# KiCad board Inverter_KiCAD.kicad_pcb (continued)
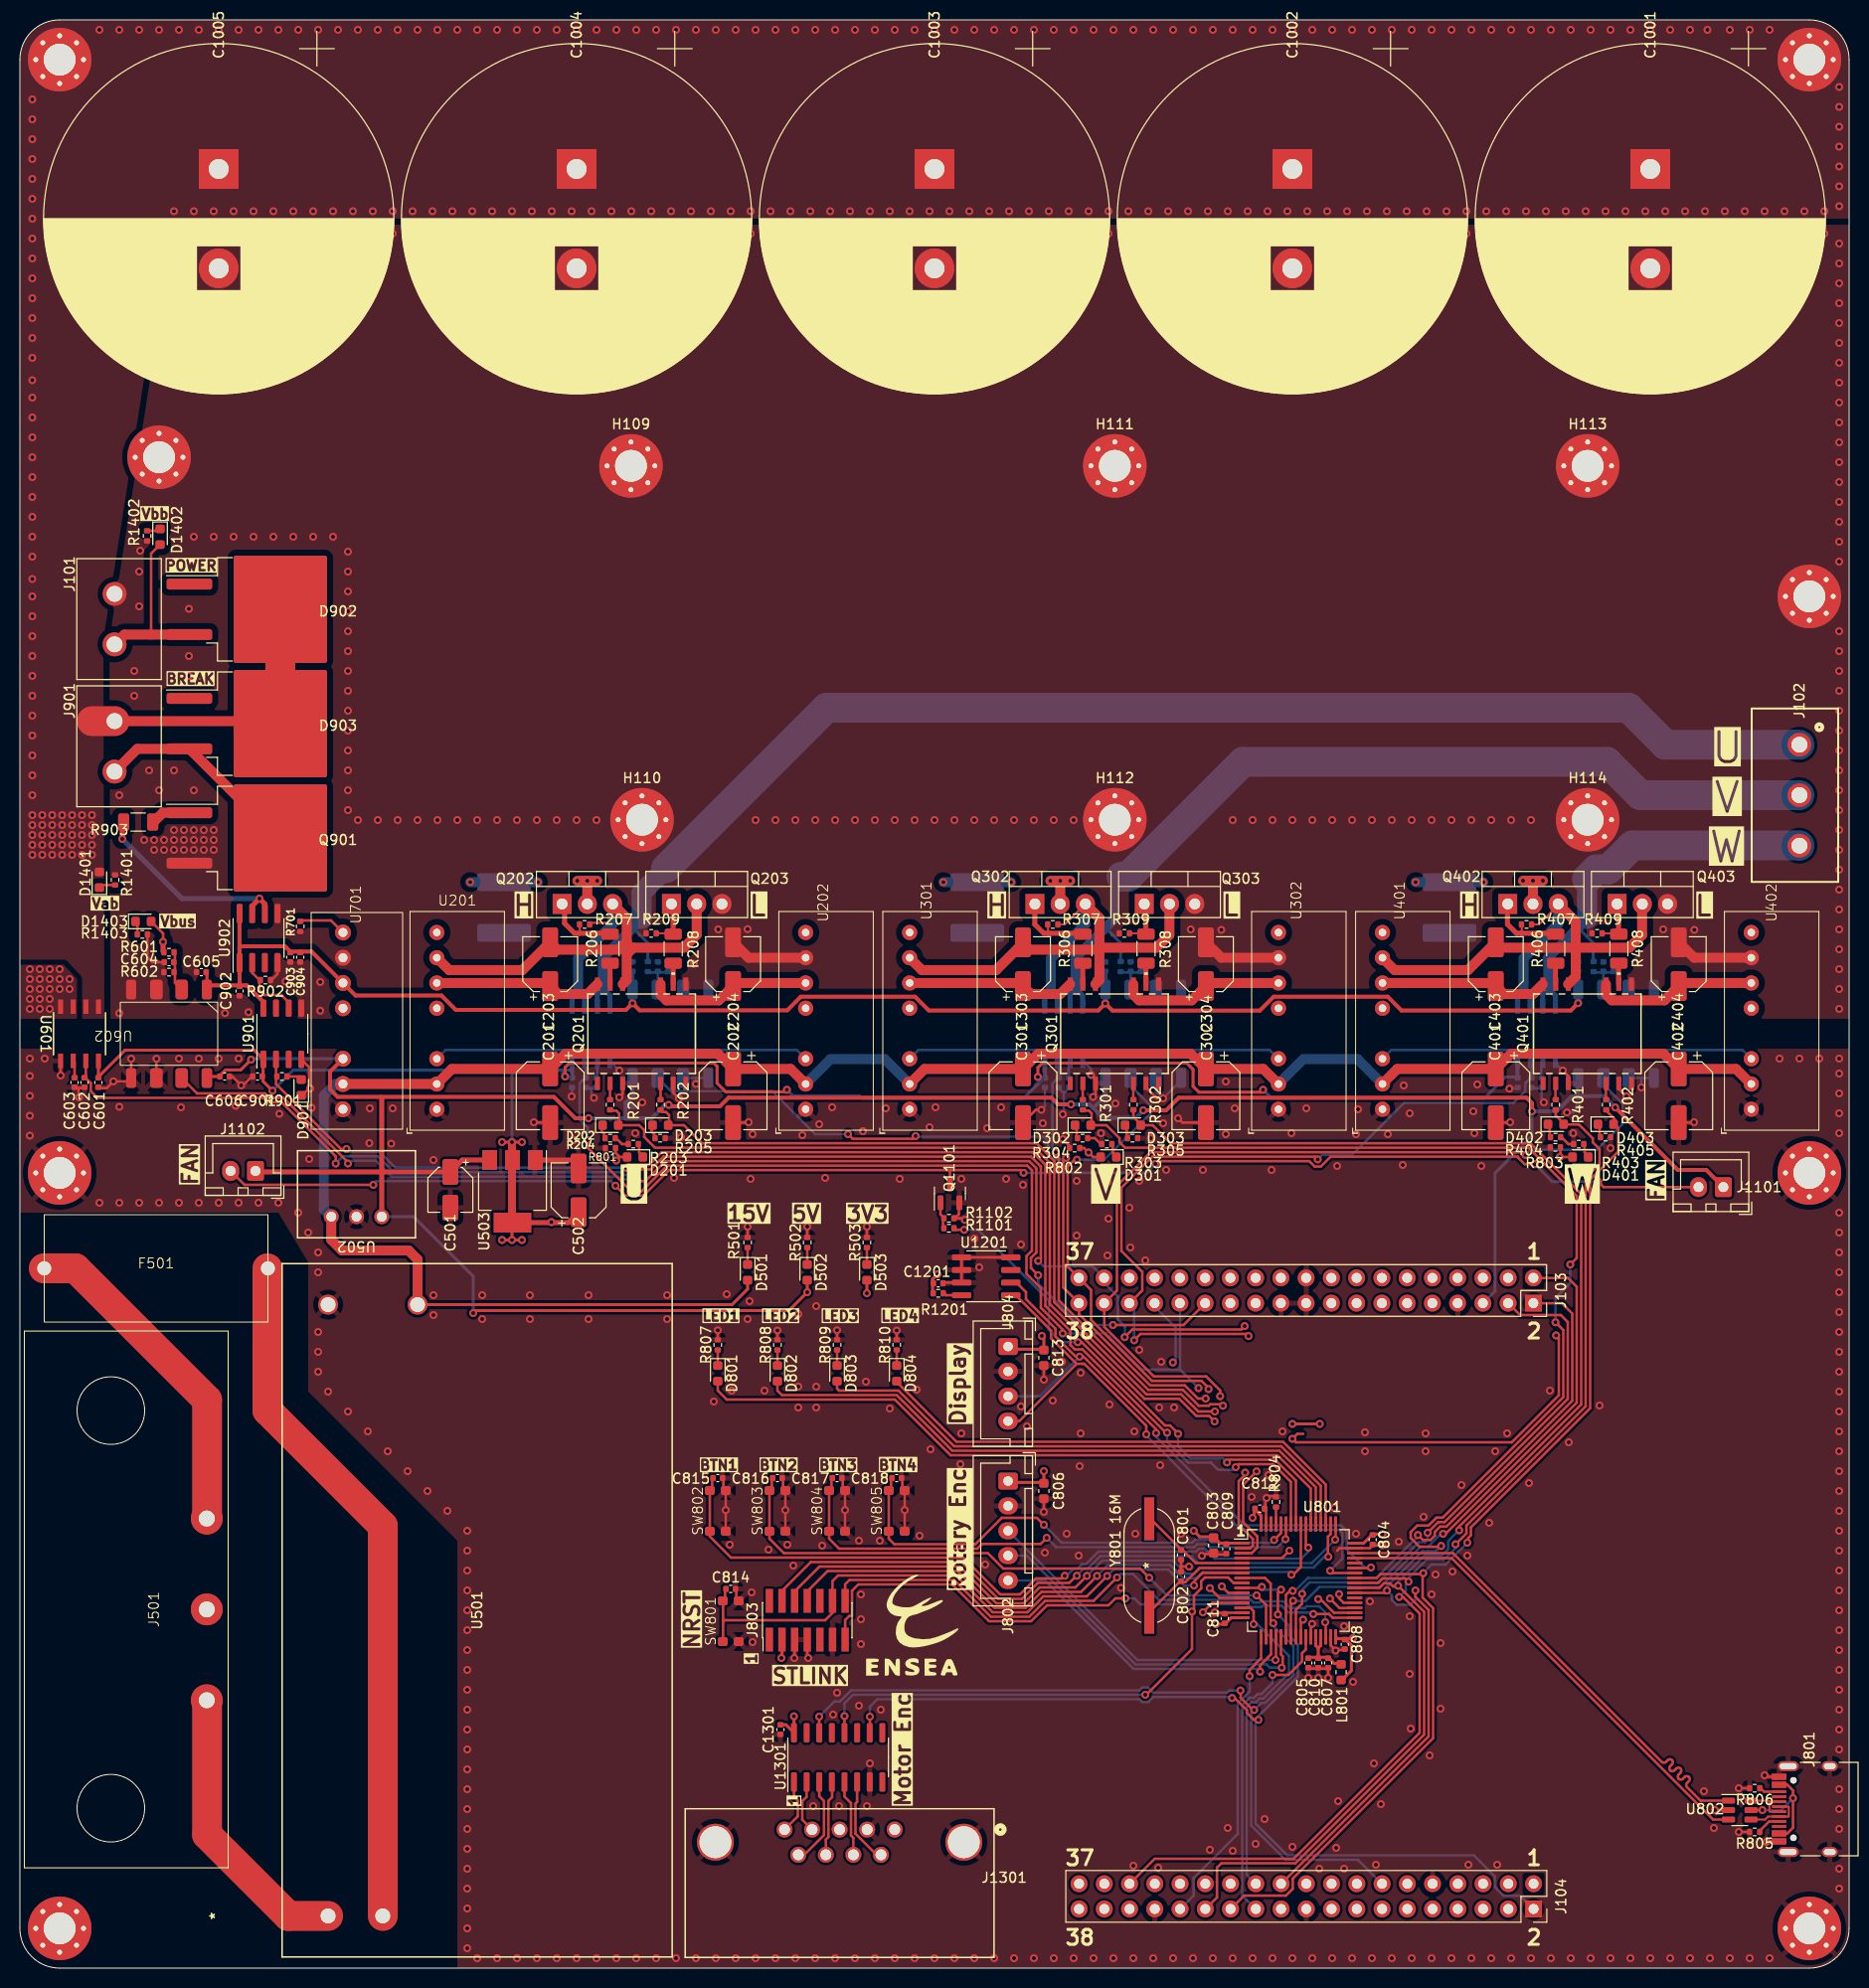
[diagram p0: board, top side]
## Routing (per net, layer and track width the routed paths; a pad name or vN(x,y) marks a point on that pad's centre or on a via; arc(x,y) is an arc through that point) (continued)
/ISO_15V: length 219.3
  Top w0.3: 40.01,66.75 71.64,66.75 73.2,68.31 73.2,69.12
  Top w1: 148.44,90.46 138.55,90.46 137.03,88.95 ; C301.1 102.44,92 117.76,92 C302.1 ; 126.59,88.95 125.07,90.46 119.29,90.46 ; 166.84,90.46 172.62,90.46 174.13,88.95 ; U202.2 77.53,90.46 C202.1 70.2,92 54.88,92 C201.1 43.45,90.46 U201.2 U701.2 ; 40.01,66.75 40.01,71.29 39.1,72.2 32.4,72.2 31.32,73.28 U502.1 ; 100.89,90.46 91,90.46 89.49,88.95 ; C402.1 165.32,92 150,92 C401.1
  Bottom w1: U301.2 87,91.45 81.54,91.45 U202.2 ; U701.2 31.72,88.95 30.57,87.79 30.57,76.35 U502.1 ; U401.2 134.56,91.45 129.1,91.45 U302.2
/ISO_GND: length 161.7
  Top w0.25: 71,44 v1(71,46.07) 71,48.1 70.77,48.33 70.77,49.35 ; v1(79.3,31.2) 79.2,31.3 J803.7 ; v1(107.96,87.64) 108.19,87.88 Q301.3 108.19,89.42 v1(107.75,89.87) ; 79.2,73.6 v1(79.2,74.6) ; 7.9,88.53 8.73,88.53 v1(9.41,89.21) 10.85,89.21 U602.5 v1(11.19,91.49) ; 82.2,63.28 v1(82.2,64.18) ; U602.6 13.73,91.48 v1(13.74,91.49) ; 103,47.14 103,47.14 ; 103,47.14 v1(103,45.9) ; 103,47.14 103.04,47.1 ; 126.35,47.5 125.59,47.5 v1(125.4,47.3) 125.28,47.19 125.28,46.22 125.35,46.16 U801.63 ; C402.2 168.36,85.06 v1(168.4,85.1) ; 88.2,63.3 v1(88.2,64.15) ; 103,60.54 v1(103,59.2) ; 21.17,89.7 21.37,89.7 v1(22.26,88.81) 22.44,88.81 23.33,89.7 ; Q301.7 113.28,88.59 114.36,87.5 v1(115,87.5) ; 133.28,32.01 132.5,32.01 ; 132.5,32.01 132.4,32.01 v1(132.34,31.95) ; 132.5,32.01 132.33,32.01 131.85,32.48 U801.31 ; C401.2 149.86,85.06 v1(149.9,85.1) ; 116.8,40.4 116.8,39.97 ; 116.8,40.4 116.8,41 ; 116.8,40.4 v1(117.6,40.4) ; 73.2,73.6 v1(73.2,74.6) ; 129.6,30.13 131.6,30.13 v1(131.6,29.2) ; 72.07,38.15 72.07,37.18 SW801.2 ; 89,44 v1(89,46.07) 89,48.1 ; 77,44 v1(77,46.07) 77,48.1 ; 173.9,13.7 v1(172.9,13.7) ; Q201.7 65.72,88.08 v1(66.3,87.5) ; v1(116.5,85.5) 116.94,85.06 C302.2 ; U601.5 4.09,89.81 v1(4.1,89.8) ; R802.2 105.59,82.71 v1(104.9,83.4) ; 121.35,41.61 120.13,41.61 120.07,41.66 119.09,41.66 v1(118.9,41.47) ; J801.A12 175.65,19.25 v1(175.5,19.4) ; 132.5,42 132.75,42.25 U801.47 135.79,42.25 136.07,42.53 137.03,42.53 v1(137.05,42.55) ; 61.1,82.9 60.57,82.9 59.97,83.5 ; v1(102.75,86.35) 102.19,86.35 C301.2 ; v1(5.95,87.6) 5.9,87.65 5.9,88.53 ; 28.3,87.72 29.1,88.53 29.1,90.63 U901.4 ; v1(129.98,34.63) 129.85,34.5 U801.27 ; 5.9,88.53 5.5,88.53 ; 5.9,88.53 6.5,88.53 ; v1(155.2,90.3) 155.75,89.75 Q401.3 ; Q1101.2 94.45,76.95 94.45,75.84 94.05,75.44 94.89,75.44 v1(95.05,75.28) ; v1(51.7,85.1) 51.74,85.06 C201.2 ; Q201.3 60.64,87.94 v1(60.3,87.6) ; SW805.2 88.77,48.28 88.77,49.3 ; 76.77,49.3 76.77,48.28 SW803.2 ; U802.2 v1(170.5,15.9) ; v1(175.7,12.7) 175.75,12.75 J801.A1 ; 107.5,83.5 108.13,83.5 108.73,82.9 ; v1(73.3,85.1) 73.26,85.06 C202.2 ; 83,44 v1(83,46.07) 83,48.1 82.77,48.33 82.77,49.35 ; v1(161.6,87.7) 160.84,88.47 Q401.7 ; 70.2,63.27 v1(70.2,64.18) ; J803.5 77.93,31.23 v1(77.9,31.2) ; 85.2,73.6 v1(85.2,74.6) ; 156.2,82.9 155.77,82.9 155.07,83.6 ; 97.2,71.5 99.68,71.5 U1201.5 U1201.7 93.01,68.97 92.94,68.9 ; v1(120.2,35.78) 120.23,35.74 121.2,35.74 121.21,35.75 U801.15 ; 76.2,63.35 76.2,64.05 ; 173.91,18.1 v1(172.9,18.1)
  Top w0.5: 55.35,81.3 51.8,81.3
  Bottom w0.25: U303.5 116.81,89.31 v1(115,87.5) 114.27,88.23 U303.6 ; v1(155.2,90.3) 154.47,91.03 U404.5 ; v1(153.3,87.1) 153.06,87.34 153.06,88.51 152.06,88.51 ; v1(102.75,86.35) 103.1,86.7 103.1,88.51 ; 57.5,88.51 57.5,87.8 v1(57.75,87.55) ; 57.5,88.51 57.94,88.51 ; 57.5,88.51 56.94,88.51 ; 68,89.55 U203.5 ; 68,89.55 U203.6 ; 68,89.55 v1(68,88.95) ; 105,88.01 105.5,88.51 ; 105,88.01 104.5,88.51 ; 105,88.01 105,86 v1(104.9,85.9) ; 156.75,86.59 156.24,86.09 v1(155.61,86.09) ; v1(55.5,87.7) 55.55,87.75 55.55,88.51 ; U204.5 59.35,91.25 v1(60.3,90.3) ; v1(149.83,88.48) 149.86,88.51 150.66,88.51 ; 61.63,86.59 62.09,86.59 v1(62.6,87.1) ; U403.6 163.1,89.55 ; 163.1,89.55 v1(163.1,88.6) ; 163.1,89.55 U403.5 ; v1(110.2,86.99) 109.81,86.59 109.19,86.59 ; v1(107.75,89.87) 107.75,90.44 U304.5
  vias: v1(1,91.5) v1(1,89.75) v1(1,87.75) v1(1,85.75) v1(1,83.75) v1(2.5,91.5) v1(8,77) v1(10,86.65) v1(10,77) v1(12,77) v1(14,77) v1(16,91.5) v1(16,77) v1(16.2,86.6) v1(18,91.5) v1(18,77) v1(20,91.5) v1(20,77) v1(21.7,86.75) v1(22,91.5) v1(22,77) v1(24,77) v1(26,77) v1(26.1,85.95) v1(28,76) v1(29,74) v1(29.1,81.4) v1(29.2,88.5) v1(29.35,86.55) v1(30,72) v1(30,70) v1(30,64) v1(30,62) v1(30,60) v1(31,58) v1(33,56) v1(35,54) v1(35.2,86.5) v1(35.15,83) v1(37,52) v1(37.35,82.95) v1(37.5,86.5) v1(39,50) v1(41,48) v1(41.6,81.3) v1(41.6,67.7) v1(41.6,65.7) v1(43,46) v1(45,44) v1(45,42) v1(45,40) v1(45,38) v1(45,36) v1(45,34) v1(45,32) v1(45,30) v1(45,28) v1(45,26) v1(45,24) v1(45,22) v1(45,20) v1(45,18) v1(45,16) v1(45,14) v1(45,12) v1(45,10) v1(45,8) v1(45,6) v1(45,4) v1(45,2) v1(46,1) v1(46.5,67.7) v1(46.5,65.3) v1(48,1) v1(50,1) v1(51.3,67.7) v1(51.3,65.3) v1(52,1) v1(54,1) v1(55.7,83.3) v1(56,1) v1(57.2,67.7) v1(57.2,65.3) v1(58,1) v1(60,1) v1(61.9,84) v1(62,1) v1(64,1) v1(65.1,67.7) v1(65.1,65.3) v1(65.8,79.5) v1(66,1) v1(66.5,83.6) v1(68,1) v1(69.8,57) v1(70,1) v1(71.1,67.8) v1(71.4,42.6) v1(71.6,58.1) v1(72,1) v1(73.2,65.3) v1(73.4,67.1) v1(73.5,79.4) v1(73.6,37.8) v1(73.7,83.9) v1(73.7,32.8) v1(74,1) v1(74.9,58.1) v1(75.3,42.1) v1(76,1) v1(76.2,64.15) v1(77.2,42.6) v1(77.8,40.5) v1(78,1) v1(78.3,65.8) v1(78.3,58.5) v1(78.3,56.4) v1(78.7,83.8) v1(79.8,16.3) v1(80,1) v1(80.1,66.6) v1(80.1,58.5) v1(80.1,56.4) v1(80.4,84.9) v1(80.7,42.5) v1(81,79.5) v1(81.7,86.6) v1(81.8,25.51) v1(82,1) v1(82.2,27.7) v1(82.4,16.3) v1(84,1) v1(84.4,43) v1(84.4,26.4) v1(84.6,37.6) v1(84.6,35.1) v1(84.6,32.6) v1(84.8,84.2) v1(85.1,59) v1(85.2,16.3) v1(85.5,20.6) v1(86,1) v1(86.5,43) v1(86.6,26) v1(87.1,86.5) v1(87.5,56.3) v1(88,1) v1(88.5,79.4) v1(90,1) v1(90.2,58.2) v1(90.5,43.5) v1(91.5,84.6) v1(91.6,52.2) v1(92,1) v1(92.1,86.6) v1(94,1) v1(94.6,50.7) v1(94.7,79.4) v1(94.7,53.8) v1(96,73.4) v1(96,1) v1(96.5,70.5) v1(97.1,40.6) v1(97.3,84.5) v1(98,1) v1(98.7,86.6) v1(99.2,79.4) v1(100,1) v1(100.7,72.8) v1(100.7,56.5) v1(100.9,78.8) v1(101.3,54.5) v1(102,1) v1(102.9,85) v1(103.1,41.8) v1(103.9,57.1) v1(104,1) v1(104.8,61) v1(105.3,43.7) v1(106,1) v1(106.3,79.2) v1(106.3,73.7) v1(106.5,41.5) v1(106.6,50.5) v1(106.7,59.9) v1(106.7,53.8) v1(108,1) v1(108.75,84) v1(109.4,79.1) v1(109.4,71.7) v1(109.5,75.4) v1(109.6,56.7) v1(110,1) v1(110.75,38.25) v1(111.6,76.5) v1(111.7,72.5) v1(112,10.3) v1(112,1) v1(112.1,54) v1(112.2,43.7) v1(112.6,79.2) v1(112.6,62.2) v1(113.2,71.2) v1(113.75,83.5) v1(114,1) v1(114.5,10.1) v1(114.6,56.4) v1(114.7,50.6) v1(114.8,61) v1(115,85) v1(115.3,80.3) v1(116,1) v1(116.1,56.4) v1(116.8,43.7) v1(118,1) v1(119,80.3) v1(119.7,11.9) v1(120,1) v1(121.3,89.2) v1(121.3,83.9) v1(121.5,14.1) v1(122,11.8) v1(122,1) v1(122.2,86.5) v1(123.9,47.4) v1(124,1) v1(124.3,12.5) v1(125.2,15) v1(125.6,49.6) v1(125.9,80.3) v1(126,1) v1(127,54) v1(127.9,84) v1(128,12.2) v1(128,1) v1(129.4,86.5) v1(129.6,29.2) v1(130,1) v1(130.6,29.2) v1(130.7,10) v1(132,1) v1(132.2,46.3) v1(132.4,12.1) v1(132.5,80.7) v1(132.6,16.8) v1(133.2,34.4) v1(133.2,10) v1(134,1) v1(134.1,28.8) v1(134.4,83.9) v1(134.4,43.7) v1(134.6,86.4) v1(135.3,53.9) v1(135.3,52) v1(135.8,36.9) v1(136,1) v1(136.2,20.6) v1(136.4,10.4) v1(136.9,16.5) v1(137.6,83.9) v1(138,1) v1(138.7,42.9) v1(139.1,80.8) v1(139.2,88.8) v1(139.8,86) v1(139.8,35.4) v1(139.8,29.6) v1(139.9,24.1) v1(140,1) v1(141.2,45.4) v1(141.4,53.8) v1(141.4,52) v1(141.8,21.4) v1(142,37.6) v1(142,1) v1(142.4,39.6) v1(142.9,32.7) v1(142.9,26.1) v1(144,1) v1(144.1,39.9) v1(145,48.6) v1(145.6,41.5) v1(145.7,10.4) v1(146,1) v1(146.2,86.2) v1(146.3,84) v1(146.6,88.9) v1(147,80.7) v1(147.8,44.8) v1(148,1) v1(148.4,52) v1(148.6,10.4) v1(149.6,53.8) v1(150,1) v1(151.8,48.8) v1(152,1) v1(153.9,58.1) v1(154,1) v1(155.8,52.9) v1(156,1) v1(156.25,84) v1(158,1) v1(158.9,56.6) v1(160,82.5) v1(160,1) v1(162,1) v1(164,1) v1(166,1) v1(168,1) v1(169.4,17.8) v1(170,1) v1(170.4,14.1) v1(172,1) v1(174,1) v1(176,1) v1(177,91.5) v1(179,91.5) v1(181,91.5) v1(183,91.5) v1(183,90) v1(183,88) v1(183,86) v1(183,84) v1(183,76) v1(183,74) v1(183,72) v1(183,70) v1(183,68) v1(183,66) v1(183,64) v1(183,62) v1(183,60) v1(183,58) v1(183,56) v1(183,54) v1(183,52) v1(183,50) v1(183,48) v1(183,46) v1(183,44) v1(183,42) v1(183,40) v1(183,38) v1(183,36) v1(183,34) v1(183,32) v1(183,30) v1(183,28) v1(183,26) v1(183,24) v1(183,22) v1(183,18) v1(183,16) v1(183,14) v1(183,10) v1(183,8)
/ISO_PWM_Break: length 136.8
  Top w0.25: v1(32.85,82.4) 32.31,82.4 25.76,88.94 25.76,91.42 U901.2 ; v1(122.3,50.4) 122.6,50.7 126.06,50.7 127.85,48.91 U801.58 ; v1(115.39,53.87) 115.27,53.87 106.89,62.25 106.11,62.25 105.67,62.69 105.67,64.1 103.15,66.62 103.15,80.83 101.89,82.08 64.55,82.08 63.27,80.8 61.25,80.8 v1(60.97,80.53)
  Bottom w0.25: v1(60.97,80.53) 37.77,80.53 36.18,82.12 33.12,82.12 v1(32.85,82.4) ; v1(115.39,53.87) 115.39,52.98 117.53,50.85 119.81,50.85 120.53,50.14 122.04,50.14 v1(122.3,50.4)
/ISO_PWM_FAN: length 52
  Top w0.25: v1(94.99,74.28) 94.21,74.28 94.05,74.44 94.1,74.38 ; v1(116.5,53.75) 116.5,53.79 115.7,54.59 115.18,54.59 106.8,62.97 v1(106.41,62.97) ; U801.57 128.35,49.05 126.25,51.15 121.7,51.15 v1(121.42,50.88)
  Bottom w0.25: v1(116.5,53.75) 116.5,52.51 117.71,51.3 121,51.3 v1(121.42,50.88) ; v1(94.99,74.28) 96.38,74.28 103.5,67.15 103.5,64.22 104.75,62.97 v1(106.41,62.97)
/MCU_STM32G474/D+: length 4.3
  Top w0.2: 174.64,16.85 175.83,16.85 175.98,16.7 ; 175.98,16.7 175.98,15.8 176.03,15.75 J801.A6 ; 175.98,16.7 176.03,16.75 J801.B6
/MCU_STM32G474/D-: length 5.3
  Top w0.2: J801.A7 177.88,16.25 177.93,16.2 177.93,15.3 177.88,15.25 J801.B7 175.85,15.25 175.55,14.95 174.64,14.95
/MCU_STM32G474/ENC_BTN_A: length 34.6
  Top w0.25: U801.20 126.35,31.05 v1(126.3,31)
  Bottom w0.25: v1(126.3,31) 112.4,31 J802.3
/MCU_STM32G474/ENC_BTN_B: length 35.4
  Top w0.25: v1(126.92,30.22) 127.03,30.32 127.03,31.38 126.85,31.55 U801.21
  Bottom w0.25: J802.4 101.26,41.5 112.21,30.55 125.4,30.55 125.73,30.22 v1(126.92,30.22)
/MCU_STM32G474/ENC_BTN_P: length 33.1
  Top w0.25: v1(124.75,29.83) 124.75,30.45 125.57,31.28 125.57,31.3 125.85,31.58 U801.19
  Bottom w0.25: J802.5 103.13,39 112.03,30.1 124.48,30.1 v1(124.75,29.83)
/MCU_STM32G474/ISO_3V3A: length 6.9
  Top w0.3: 130.6,31.27 130.6,32.2 ; 130.6,31.27 131.6,31.27 132.22,30.65 132.9,30.65 ; 130.6,31.27 129.6,31.27 ; 130.6,32.2 130.35,32.45 U801.28 ; 130.6,32.2 130.85,32.45 U801.29
/MCU_STM32G474/NRST: length 66.6
  Top w0.25: SW801.1 70.93,37.18 70.93,38.15 ; v1(109.37,39.45) 109.37,39.45 107.32,37.4 102.95,37.4 101.35,35.8 97.85,35.8 94.15,39.5 82.3,39.5 81.74,38.94 J803.12 81.74,35.74 81,35 70.73,35 70.73,34.8 ; U801.7 118.95,39.75 118.1,38.9 v1(118.1,38.5) ; 70.97,37.13 70.73,36.9 70.73,34.8 ; 70.73,34.8 70.73,32.8
  Bottom w0.25: v1(109.37,39.45) 110.02,40.1 115.51,40.1 117.11,38.5 v1(118.1,38.5)
/MCU_STM32G474/Soft_NRST: length 49.6
  Top w0.25: U801.60 126.85,43.76 v1(126.16,43.07) ; SW805.1 87.63,48.28 87.63,49.3 ; SW805.1 87.4,43.2 87.95,42.65 96.11,42.65 98.76,45.3 102.3,45.3 v1(103,44.6) ; 87.4,44 87.4,48.1
  Bottom w0.25: v1(126.16,43.07) 125.89,42.8 119.87,42.8 119.57,43.1 118.23,43.1 117.93,42.8 104.8,42.8 v1(103,44.6)
/MCU_STM32G474/SWCLK: length 63.7
  Top w0.25: v1(107.33,39.46) 106.17,38.3 102.57,38.3 100.97,36.7 98.23,36.7 94.53,40.4 80.43,40.4 77.93,37.9 J803.6 ; U801.50 131.85,43.68 131.57,43.4 131.57,41.43 v1(131.61,41.39)
  Bottom w0.25: v1(107.33,39.46) 108.87,41 115.97,41 117.3,39.68 118.18,39.68 118.8,40.3 130.14,40.3 131.22,41.39 v1(131.61,41.39)
/MCU_STM32G474/SWDIO: length 64
  Top w0.25: J803.4 76.66,37.96 79.55,40.85 94.71,40.85 98.41,37.15 100.79,37.15 102.39,38.75 105.55,38.75 106.28,39.48 v1(106.32,39.48) ; U801.49 132.35,43.15 v1(132.3,43.1)
  Bottom w0.25: v1(106.32,39.48) 107.03,40.19 107.42,40.19 108.68,41.45 117.9,41.45 118.6,40.75 129.95,40.75 v1(132.3,43.1)
/MCU_STM32G474/SWO: length 60.3
  Top w0.25: v1(127.9,39.57) 128.07,39.57 128.85,40.35 U801.56 ; J803.8 79.2,37.9 81.25,39.95 94.34,39.95 98.04,36.25 101.16,36.25 102.76,37.85 106.74,37.85 v1(108.35,39.46)
  Bottom w0.25: v1(127.9,39.57) 127.63,39.85 118.99,39.85 118.36,39.22 117.03,39.22 115.7,40.55 109.44,40.55 v1(108.35,39.46)
/MCU_STM32G474/USB_DM: length 48.5
  Top w0.25: U802.3 170.31,14.95 144.01,41.25 U801.45
/MCU_STM32G474/USB_DP: length 51.5
  Top w0.25: U802.1 169.05,16.85 167.7,18.2 arc(167.61,18.41) 167.7,18.62 167.89,18.81 arc(167.97,19.02) 167.89,19.23 arc(167.67,19.32) 167.46,19.23 167.28,19.05 arc(167.06,18.96) 166.85,19.05 arc(166.76,19.26) 166.85,19.47 167.04,19.66 arc(167.12,19.87) 167.04,20.08 arc(166.82,20.17) 166.61,20.08 166.43,19.9 arc(166.22,19.81) 166,19.9 arc(165.92,20.11) 166,20.32 166.19,20.51 arc(166.28,20.72) 166.19,20.93 arc(165.98,21.02) 165.76,20.93 165.58,20.75 arc(165.37,20.66) 165.15,20.75 144.15,41.75 U801.46
/MCU_STM32G474/USR_BTN_1: length 74.1
  Top w0.25: U801.55 129.35,42.55 v1(129.6,42.3) ; SW802.1 69.4,43.43 71.53,41.3 94.9,41.3 98.6,37.6 100.6,37.6 102.2,39.2 104.82,39.2 v1(105.1,39.48) ; 69.4,44 69.4,48.1 69.63,48.33 69.63,49.35
  Bottom w0.25: v1(129.6,42.3) 129.6,41.9 128.9,41.2 120.2,41.2 119.2,42.2 118.6,42.2 118.3,41.9 108.49,41.9 107.23,40.64 106.84,40.64 106.4,40.2 106.02,40.2 105.29,39.48 v1(105.1,39.48)
/MCU_STM32G474/USR_BTN_2: length 62.1
  Top w0.25: v1(124.4,37.5) 125.35,36.55 U801.18 ; v1(113.6,39.28) 112.68,40.2 98.91,40.2 97.36,41.75 76.85,41.75 75.4,43.2 SW803.1 ; 75.4,44 75.4,48.1 ; SW803.1 75.63,48.28 75.63,49.3
  Bottom w0.25: v1(113.6,39.28) 115.38,37.5 v1(124.4,37.5)
/MCU_STM32G474/USR_BTN_3: length 55.5
  Top w0.25: U801.59 127.35,43.2 v1(127.3,43.15) ; v1(103.29,43.29) 102.68,42.68 96.77,42.68 96.3,42.2 82.4,42.2 81.4,43.2 SW804.1 ; 81.63,49.35 81.63,48.33 81.4,48.1 81.4,44
  Bottom w0.25: v1(103.29,43.29) 104.23,42.35 118.11,42.35 118.41,42.65 119.39,42.65 119.69,42.35 126.5,42.35 v1(127.3,43.15)
/MCU_STM32G474/USR_LED_1: length 68.2
  Top w0.25: 70.2,58.96 70.2,58.1 71.1,57.2 88.01,57.2 93.61,51.6 126.5,51.6 129.85,48.25 U801.54
/MCU_STM32G474/USR_LED_2: length 62.6
  Top w0.25: 76.2,58.83 76.2,58.1 76.65,57.65 88.19,57.65 93.79,52.05 126.69,52.05 130.35,48.39 U801.53
/MCU_STM32G474/USR_LED_3: length 57.2
  Top w0.25: U801.52 130.85,48.52 126.87,52.5 93.98,52.5 88.38,58.1 82.4,58.1 82.2,58.3 82.2,58.92
/MCU_STM32G474/USR_LED_4: length 51.5
  Top w0.25: U801.51 131.35,48.66 127.06,52.95 94.22,52.95 88.2,58.97 88.15,58.97
/MCU_STM32G474/V_USB: length 11.2
  Top w0.25: J801.A4 177.78,13.55 178.36,14.13 v1(178.36,17.1) 178.36,17.87 177.78,18.45 J801.A9 ; 174.64,15.9 v1(175.28,15.9)
  Bottom w0.25: v1(175.28,15.9) 177.16,15.9 v1(178.36,17.1)
/MCU_STM32G474/VCP_RX: length 59.6
  Top w0.25: J803.13 83.01,35.01 83.42,35.43 83.7,35.43 83.7,37.97 84.34,38.6 93.78,38.6 97.48,34.9 101.72,34.9 103.32,36.5 109.5,36.5 110.2,37.2 v1(111.2,37.2) ; U801.33 132.05,35.25 131.67,35.63 v1(130.1,35.63)
  Bottom w0.25: v1(111.2,37.2) 112.1,37.2 112.7,36.6 123.5,36.6 123.78,36.32 124.89,36.32 125.01,36.45 126.92,36.45 127.59,35.78 129.95,35.78 v1(130.1,35.63)
/MCU_STM32G474/VCP_TX: length 57.8
  Top w0.25: v1(131.3,34.8) 131.35,34.75 U801.30 ; v1(110.36,39.3) 108,36.95 103.13,36.95 101.53,35.35 97.67,35.35 93.97,39.05 83.45,39.05 83.01,38.61 J803.14
  Bottom w0.25: v1(110.36,39.3) 110.7,39.65 111.95,39.65 114.55,37.05 123.82,37.05 124.1,36.78 124.7,36.78 124.83,36.9 127.11,36.9 127.78,36.23 129.27,36.23 129.44,36.4 130.7,36.4 131.3,35.8 v1(131.3,34.8)
/NUCLEO_NRST: length 54.6
  Top w0.25: U801.24 128.35,36.05 128.98,36.68 v1(128.98,37.65) ; v1(141.6,43.8) 142.67,44.87 143.31,44.87 155.7,57.26 155.7,65 155,65.7 150.91,65.7 149.72,66.89
  Bottom w0.25: v1(141.6,43.8) 141.6,43.1 141.35,42.85 140.71,42.85 136.66,38.8 129.74,38.8 128.98,38.04 v1(128.98,37.65)
/NUCLEO_RX: length 54.9
  Top w0.25: U801.22 127.35,37.55 127.76,37.96 v1(128.02,37.96) ; 152.26,66.89 155.11,66.89 156.15,65.85 156.15,57.08 143.49,44.42 142.85,44.42 142.32,43.89 142.32,43.5 141.9,43.07 141.12,43.07 v1(140.63,43.57)
  Bottom w0.25: v1(140.63,43.57) 140.63,43.46 136.41,39.25 129.55,39.25 128.26,37.96 v1(128.02,37.96)
/NUCLEO_TX: length 56.9
  Top w0.25: v1(143.16,43.69) 143.4,43.69 156.6,56.89 156.6,68.55 155.72,69.43 152.26,69.43 ; v1(128.08,36.96) 127.85,36.73 U801.23
  Bottom w0.25: v1(143.16,43.69) 142.94,43.69 141.65,42.4 140.9,42.4 136.85,38.35 130.72,38.35 129.3,36.93 128.11,36.93 v1(128.08,36.96)
/Pwr_En_U: length 138.8
  Top w0.25: 60.34,81.6 59.91,82.03 R801.1 ; 60.34,81.6 61,81.6 ; 60.34,81.6 v1(59.99,81.25) ; v1(123.25,49.85) 123.25,49.65 122.6,49 122.6,44.6 124.03,43.18 124.03,42.51 123.77,42.25 U801.2
  In2.Cu w0.25: v1(123.25,49.85) 123.25,52.64 122.25,53.63 122.25,57.04 120.09,59.2 118.02,59.2 116.81,60.41 116.81,61.6 112.69,65.72 105.4,65.72 101.7,69.41 101.7,69.8 80.01,91.49 U202.3 77.96,91.49 68.09,81.61 60.35,81.61 v1(59.99,81.25)
  Bottom w0.25: U201.3 42.83,92.38 78.15,92.38 U202.3
/Pwr_En_V: length 110.3
  Top w0.25: R802.1 107.05,82.5 v1(107.5,82.05) 107.95,81.6 108.62,81.6 ; U801.3 123.9,41.75 124.47,42.32 124.47,43.43 123.05,44.85 123.05,48.63 v1(124.4,49.98)
  In2.Cu w0.25: v1(107.5,82.05) 116.1,82.05 ; 116.1,82.05 118.06,80.09 118.06,60.13 118.55,59.65 120.28,59.65 122.7,57.23 122.7,53.82 123.7,52.82 123.7,50.68 v1(124.4,49.98) ; 116.1,82.05 116.25,82.05 125.69,91.49 U302.3
  Bottom w0.25: U302.3 125.71,92.38 90.39,92.38 U301.3
/Pwr_En_W: length 134.7
  Top w0.25: 129.09,53.75 128.5,53.75 v1(128,53.25) 128.35,52.9 150.06,52.9 154.8,57.64 154.8,63.38 v1(154.53,63.65) ; 156.09,81.6 v1(154.9,81.6) 154.96,81.66 R803.1 ; v1(127.7,42) 126.95,41.25 U801.4
  In2.Cu w0.25: v1(127.7,42) 128.15,42.45 128.15,53.1 v1(128,53.25) ; U402.3 173.09,91.49 163.2,81.6 v1(154.9,81.6) 155.22,81.28 155.22,64.35 v1(154.53,63.65)
  Bottom w0.25: U401.3 137.95,92.38 173.27,92.38 U402.3
/U_Imes: length 126.6
  Top w0.25: v1(104.9,63.85) 104.9,64.24 102.7,66.44 102.7,68.4 101.25,69.85 101.25,71.64 101.8,72.19 101.8,80.27 101.33,80.74 65.11,80.74 62.55,78.18 61.48,78.18 57.1,82.55 v1(57.1,83.3) ; U801.13 119.95,36.75 v1(119,35.8)
  In2.Cu w0.25: 118.55,58.38 118.55,54.08 117.65,53.17 117.65,48.34 119.25,46.74 119.25,42.87 118.18,41.8 118.18,41.15 118.9,40.42 118.9,35.92 119,35.82
  Bottom w0.25: U204.7 56.94,91.15 56.94,89.65 56.31,89.01 56.31,85.37 57.1,84.58 v1(57.1,83.3) ; v1(118.55,58.35) 116.7,60.21 ; 116.7,60.21 112.89,60.21 109.25,63.85 v1(104.9,63.85) ; 116.7,60.21 116.7,66.89
/U_output: length 145.1
  Bottom w0.3: 63.17,101.36 63.17,103.13 61.74,104.56 61.54,104.56
  Bottom w0.5: U204.3 58.08,98 58.64,98.56 59.35,97.85 U204.4
  Bottom w1: 62.54,105.56 58.64,101.66 58.64,98.56
  Bottom w2: 62.54,105.56 62.54,108.19 65,110.65
  Bottom w3: 65,110.65 81.15,126.8 161.8,126.8 165.52,123.08 J102.1
/U_PWM_H: length 139.5
  Top w0.25: v1(124.1,34.6) 124.1,35.92 123.77,36.25 U801.14 ; 59.36,86.26 60,86.26 60.28,85.98 60.28,84.8 62.3,84.8 62.8,84.3 62.8,83.62 63.88,82.53 102.08,82.53 103.6,81.01 103.6,66.81 113.13,57.28 116.61,57.28 118.34,55.55 119.63,55.55 119.9,55.27 119.9,55.27 v1(120.18,55)
  In2.Cu w0.25: 124.1,34.62 124.1,35.82 121.62,38.3 121.62,38.72 121.2,39.15 120.81,39.15 120.6,39.36 120.6,47.36 119,48.96 119,52.55 119.9,53.46 119.9,54.75 120.18,55.02
  Bottom w0.25: v1(124.1,34.6) 124.48,34.6 127.65,31.43 127.65,29.69 125.09,27.13 124.7,27.13 124.32,26.75 123.89,26.75 123.41,26.26 123.41,9.38 124.32,8.47
/U_PWM_L: length 138.4
  Top w0.25: 64.44,86.26 64.58,86.12 65,86.12 65.3,85.82 65.3,84.8 66.8,84.8 68.61,82.98 102.26,82.98 104.05,81.2 104.05,67 113.32,57.73 116.8,57.73 118.53,56 v1(120.2,56) ; v1(123.7,29.38) 123.7,30 124.3,30.6 124.3,30.64 124.85,31.19 U801.17
  In2.Cu w0.25: 120.2,56.02 120.48,56.02 120.9,55.6 120.9,54.19 120.35,53.64 120.35,53.27 119.45,52.37 119.45,49.15 121.05,47.55 121.05,40.12 122.37,38.81 122.37,38.19 124.82,35.74 124.82,34.22 123.61,33.01 123.61,29.49 123.7,29.4
  Bottom w0.25: v1(123.7,29.38) 123.7,27.83 122.5,26.64 122.5,13.5 118.06,9.06 118.06,7.29 116.7,5.93
/U_VPh: length 102.1
  Top w0.25: U801.12 120.67,37.25 v1(119.7,38.22) ; v1(83.3,83.9) 83.77,83.44 89.83,83.44 v1(90.1,83.71) ; v1(105.22,81.51) 104.95,81.24 104.95,68.48 106.54,66.89 106.54,65.78 113.69,58.63 117.17,58.63 118.5,57.3 v1(119.28,57.3)
  In2.Cu w0.25: 119.7,38.25 119.7,46.92 118.1,48.52 118.1,52.92 119,53.83 119,57.05 119.28,57.32
  Bottom w0.25: v1(90.1,83.71) 90.16,83.65 102.97,83.65 103.41,83.2 103.41,81.83 103.89,81.36 104.24,81.36 104.24,81.36 105.07,81.36 v1(105.22,81.51) ; v1(83.3,83.9) 80,83.9 75.67,88.22 65.5,88.22 U203.7
/V_Imes: length 108.4
  Top w0.25: U801.26 129.35,32.06 128.97,31.68 128.97,30.86 127.6,29.5 v1(126,29.5) ; v1(104.19,82.09) 104.5,81.77 104.5,67.18 113.5,58.18 116.98,58.18 118.59,56.57 119.58,56.57 119.73,56.72 120.87,56.72 v1(121.01,56.58)
  In2.Cu w0.25: 126,29.52 126,30.15 125.28,30.87 125.28,37.27 125.65,37.65 125.65,38.67 121.5,42.83 121.5,47.73 119.9,49.33 119.9,52.18 120.8,53.08 120.8,53.46 121.35,54.01 121.35,56.27 121.01,56.61
  Bottom w0.25: v1(126,29.5) 126,28.68 124.9,27.58 124.51,27.58 124.13,27.2 123.7,27.2 122.96,26.45 122.96,7.29 124.32,5.93 ; v1(104.19,82.09) 103.87,82.41 103.87,89.01 104.5,89.65 ; 104.36,91.28 104.49,91.15 104.49,89.65
/V_output: length 95.7
  Bottom w0.3: 110.72,101.36 110.72,103.13 109.29,104.56 109.09,104.56
  Bottom w0.5: 105.63,96.72 105.63,98 106.19,98.56 106.9,97.85 106.9,96.72
  Bottom w1: 106.19,98.56 106.19,101.66 110.09,105.56 110.09,108.41 110.8,109.12 110.8,109.8
  Bottom w3: J102.2 163,118 159.65,121.35 123.03,121.35 111.48,109.8 110.8,109.8
/V_PWM_H: length 152.6
  Top w0.25: 126.86,8.47 141.7,23.31 141.7,36.04 140.38,37.36 v1(140.38,37.99) ; v1(155.95,70.79) 156.6,71.44 156.6,77.69 151.75,82.53 111.16,82.53 110.61,83.09 110.61,83.49 109.3,84.8 107.8,84.8 107.8,86 107.54,86.26 106.93,86.26 ; v1(154.46,64.98) 155.25,64.19 155.25,57.45 143.12,45.32 142.48,45.32 141.69,44.53 140.56,44.53 139.9,43.87 139.9,43.27 140.78,42.39 142.87,42.39 v1(142.96,42.47) ; U801.38 137.27,37.75 v1(137.51,37.99)
  Bottom w0.25: v1(142.96,42.47) 142.43,41.95 141.09,41.95 137.51,38.38 v1(137.51,37.99) 138.01,37.49 138.01,37.04 138.5,36.55 139.85,36.55 140.38,37.08 v1(140.38,37.99) ; v1(155.95,70.79) 155.95,68.92 154.46,67.43 v1(154.46,64.98)
/V_PWM_L: length 148.8
  Top w0.25: U801.39 136.75,38.25 137.21,38.71 137.81,38.71 138.13,38.4 138.56,38.4 v1(138.63,38.47) 141.25,35.85 141.25,23.5 128.3,10.55 120.85,10.55 120.41,10.12 120.41,7.1 119.24,5.93 ; 112,86.26 112,85.62 112.83,84.8 113.95,84.8 115.76,82.98 151.94,82.98 157.05,77.87 157.05,56.7 144.78,44.43 v1(144.78,44.05)
  Bottom w0.25: v1(138.63,38.47) 138.63,38.86 141.27,41.5 143.01,41.5 143.68,42.17 143.68,42.98 144.75,44.05 v1(144.78,44.05)
/V_VPh: length 70
  Top w0.25: 106.55,69.44 106.54,69.43 ; 106.54,69.43 107.75,68.22 107.75,65.2 113.88,59.08 118.85,59.08 119.57,58.37 v1(119.57,58.26) ; 106.54,69.43 105.4,70.57 105.4,80.65 106.08,81.33 v1(106.33,81.33) ; U801.11 121.55,37.75 v1(120.9,38.4)
  In2.Cu w0.25: 120.9,38.42 120.15,39.17 120.15,47.17 118.55,48.77 118.55,52.74 119.45,53.64 119.45,56.28 120,56.82 120,57 120,57 120,57.85 119.57,58.28
  Bottom w0.25: U303.7 111.73,88.77 113.72,86.78 113.72,85.97 109.08,81.33 v1(106.33,81.33)
/Vbus_Sense/Uref: length 1.7
  Top w0.25: 5.5,89.67 5.5,91.14 U601.6
/VSupply_AB: length 30.6
  Top w1: D903.2 25.95,125.45 J901.2
  Top w3: D902.2 D903.2 ; J901.2 7.24,125.45
  vias: v1(1.25,188) v1(1.25,186) v1(1.25,184) v1(1.25,182) v1(1.25,180) v1(1.25,178) v1(1.25,176) v1(1.25,174) v1(1.25,172) v1(1.25,170) v1(1.25,168) v1(1.25,166) v1(1.25,164) v1(1.25,162) v1(1.25,159.75) v1(1.25,158) v1(1.25,156) v1(1.25,154) v1(1.25,152) v1(1.25,150) v1(1.25,148) v1(1.25,146) v1(1.25,144) v1(1.25,142) v1(1.25,139.75) v1(1.25,138) v1(1.25,136) v1(1.25,134) v1(1.25,132) v1(1.25,130) v1(1.25,128) v1(1.25,126) v1(1.25,124) v1(1.25,122) v1(1.25,120) v1(1.25,118) v1(1.25,116) v1(1.25,115) v1(1.25,114) v1(1.25,113) v1(1.25,112) v1(2.25,116) v1(2.25,115) v1(2.25,114) v1(2.25,113) v1(2.25,112) v1(3.25,116) v1(3.25,115) v1(3.25,114) v1(3.25,113) v1(3.25,112) v1(4.25,116) v1(4.25,115) v1(4.25,114) v1(4.25,113) v1(4.25,112) v1(5.25,116) v1(5.25,115) v1(5.25,114) v1(5.25,113) v1(5.25,112) v1(6.25,116) v1(6.25,115) v1(6.25,114) v1(6.25,113) v1(6.25,112) v1(7.25,116) v1(7.25,115) v1(7.25,114) v1(7.25,113) v1(7.25,112) v1(8,195) v1(10,195) v1(12,195) v1(14,195) v1(15.5,176.75) v1(16,195) v1(17.5,176.75) v1(18,195) v1(19.5,176.75) v1(20,195) v1(21.5,176.75) v1(22,195) v1(23.5,176.75) v1(24,195) v1(25.5,176.75) v1(26,195) v1(27.5,176.75) v1(28,195) v1(29.5,176.75) v1(30,195) v1(31.5,176.75) v1(32,195) v1(33.5,176.75) v1(34,195) v1(35.5,176.75) v1(36,195) v1(37.5,176.75) v1(38,195) v1(39.5,176.75) v1(40,195) v1(41.5,176.75) v1(42,195) v1(43.5,176.75) v1(44,195) v1(45.5,176.75) v1(46,195) v1(47.5,176.75) v1(48,195) v1(49.5,176.75) v1(50,195) v1(51.5,176.75) v1(52,195) v1(53.5,176.75) v1(54,195) v1(55.5,176.75) v1(56,195) v1(57.5,176.75) v1(58,195) v1(59.5,176.75) v1(60,195) v1(61.5,176.75) v1(62,195) v1(63.5,176.75) v1(64,195) v1(65.5,176.75) v1(66,195) v1(67.5,176.75) v1(68,195) v1(69.5,176.75) v1(70,195) v1(71.5,176.75) v1(72,195) v1(73.5,176.75) v1(74,195) v1(75.5,176.75) v1(76,195) v1(77.5,176.75) v1(78,195) v1(79.5,176.75) v1(80,195) v1(81.5,176.75) v1(82,195) v1(83.5,176.75) v1(84,195) v1(85.5,176.75) v1(86,195) v1(87.5,176.75) v1(88,195) v1(89.5,176.75) v1(90,195) v1(91.5,176.75) v1(92,195) v1(93.5,176.75) v1(94,195) v1(95.5,176.75) v1(96,195) v1(97.5,176.75) v1(98,195) v1(99.5,176.75) v1(100,195) v1(101.5,176.75) v1(102,195) v1(103.5,176.75) v1(104,195) v1(105.5,176.75) v1(106,195) v1(107.5,176.75) v1(108,195) v1(109.5,176.75) v1(110,195) v1(111.5,176.75) v1(112,195) v1(113.5,176.75) v1(114,195) v1(115.5,176.75) v1(116,195) v1(117.5,176.75) v1(118,195) v1(119.5,176.75) v1(120,195) v1(121.5,176.75) v1(122,195) v1(123.5,176.75) v1(124,195) v1(125.5,176.75) v1(126,195) v1(127.5,176.75) v1(128,195) v1(129.5,176.75) v1(130,195) v1(131.5,176.75) v1(132,195) v1(133.5,176.75) v1(134,195) v1(135.5,176.75) v1(136,195) v1(137.5,176.75) v1(138,195) v1(139.5,176.75) v1(140,195) v1(141.5,176.75) v1(142,195) v1(143.5,176.75) v1(144,195) v1(145.5,176.75) v1(146,195) v1(147.5,176.75) v1(148,195) v1(149.5,176.75) v1(150,195) v1(151.5,176.75) v1(152,195) v1(153.5,176.75) v1(154,195) v1(155.5,176.75) v1(156,195) v1(157.5,176.75) v1(158,195) v1(159.5,176.75) v1(160,195) v1(161.5,176.75) v1(162,195) v1(163.5,176.75) v1(164,195) v1(165.5,176.75) v1(166,195) v1(167.5,176.75) v1(168,195) v1(169.5,176.75) v1(169.75,195) v1(171.5,176.75) v1(172,195) v1(173.5,176.75) v1(174,195) v1(175.5,176.75) v1(176,195) v1(177.5,176.75) v1(179.5,176.75) v1(181.5,176.75) v1(183,189.25) v1(183,187.25) v1(183,185.25) v1(183,183.25) v1(183,181.25) v1(183,179.25) v1(183,177.25)
/VSupply_BB: length 17.4
  Top w0.25: 13.2,134.16 13.2,142.31 D1402.2
  Top w1: J101.1 10.51,134.16 D902.3
/W_Imes: length 109.7
  Top w0.25: U801.35 134.25,36.22 132.74,36.22 v1(131.78,37.18) ; v1(123.59,63.59) 123.38,63.8 112.72,63.8 v1(112.09,63.17) ; v1(130.55,81.36) 130.28,81.63 113.91,81.63 110.8,78.52 110.8,72.15 112.9,70.05 112.9,68.17 111.62,66.89
  In2.Cu w0.25: 131.78,37.2 130.32,38.66 130.32,43.12 129.32,44.12 129.32,57.47 123.59,63.2 v1(123.59,63.59)
  Bottom w0.25: v1(112.09,63.17) 112.09,66.42 111.62,66.89 ; v1(130.55,81.36) 131,81.81 134,81.81 139.23,87.04 150.24,87.04 151.43,88.23 151.43,89.01 152.06,89.65 ; 152.03,89.65 152.03,91.15 151.91,91.28
/W_output: length 43.6
  Bottom w0.3: 158.26,101.36 158.26,103.13 156.84,104.56 156.63,104.56
  Bottom w0.5: 154.44,96.72 154.44,97.85 153.74,98.56 153.18,98 153.18,96.72
  Bottom w1: 157.63,105.56 153.74,101.66 153.74,98.56
  Bottom w2: 157.63,105.56 157.63,109.59
  Bottom w3: J102.3 178.97,112.95 162.19,112.95 159.77,110.53 158.58,110.53 157.63,109.59
/W_PWM_H: length 116.9
  Top w0.25: v1(144.41,42.64) 145.5,43.73 145.5,44.52 157.5,56.52 157.5,79.51 158.9,80.91 158.9,82.4 158.22,83.08 158.22,83.48 156.82,84.88 155.37,84.88 ; 155.37,84.9 154.49,85.79 154.49,86.26 ; v1(138.74,37.34) 139.13,37.34 140.8,35.66 140.8,23.68 128.12,11 114.15,11 111.62,8.47 ; v1(139.68,38.89) 139.37,39.19 137.06,39.19 136.61,38.75 U801.40
  Bottom w0.25: v1(138.74,37.34) 139.41,38.01 139.41,38.61 v1(139.68,38.89) 139.68,39.27 141.46,41.05 143.2,41.05 144.41,42.26 v1(144.41,42.64)
/W_PWM_L: length 108.2
  Top w0.25: U801.41 136.48,39.25 136.87,39.64 141.08,39.64 v1(141.17,39.73) 141.1,39.67 141.1,37.27 142.15,36.22 142.15,23.12 128.03,9.01 128.03,7.98 127.35,7.29 123.15,7.29 121.78,5.93 ; v1(145.6,42.8) 145.69,42.89 145.69,43.28 145.95,43.55 145.95,44.34 157.95,56.33 157.95,79.32 160.78,82.15 160.78,84.52 160.4,84.9 160.4,85.43 159.56,86.26
  Bottom w0.25: v1(141.17,39.73) 141.17,39.77 142,40.6 143.4,40.6 v1(145.6,42.8)
/W_VPh: length 118.4
  Top w0.25: v1(151.45,81.81) 151.18,82.08 113.73,82.08 110.35,78.71 110.35,68.16 109.08,66.89 109.08,64.51 114.06,59.53 119.32,59.53 120.73,58.12 v1(120.73,57.54) ; U801.25 128.85,34.83 v1(129.07,35.06)
  In2.Cu w0.25: 129.07,35.08 128.14,35.08 126.1,37.12 126.1,38.86 121.95,43.01 121.95,47.92 120.35,49.52 120.35,51.99 121.8,53.45 121.8,56.84 121.08,57.56 120.73,57.56
  Bottom w0.25: v1(151.45,81.81) 151.96,82.33 158.62,82.33 161.2,84.9 161.2,87 159.29,88.91 U403.7
Net-(D201-K): length 1.5
  Top w0.25: 62.3,82.9 62.3,82.05 62.75,81.6
Net-(D202-K): length 1.4
  Top w0.25: 58.78,83.5 58.78,83.92 58.53,84.17 58.53,84.8
Net-(D203-K): length 1.4
  Top w0.25: 63.55,84.8 63.55,84.15 63.8,83.9 63.8,83.5
Net-(D301-K): length 1.5
  Top w0.25: 110.38,81.6 109.93,82.05 109.93,82.9
Net-(D302-K): length 1.4
  Top w0.25: 106.3,83.5 106.3,84.55 106.05,84.8
Net-(D303-K): length 1.4
  Top w0.25: 111.33,83.5 111.33,84.55 111.08,84.8
Net-(D401-K): length 1.5
  Top w0.25: 157.4,82.9 157.4,82.05 157.84,81.6
Net-(D402-K): length 1.4
  Top w0.25: 153.87,83.6 153.87,84.65 153.62,84.9
Net-(D403-K): length 1.4
  Top w0.25: 158.65,84.9 158.9,84.65 158.9,83.6
Net-(D501-K): length 1.5
  Top w0.25: 73.2,72.4 73.2,70.88
Net-(D502-K): length 1.5
  Top w0.25: 79.2,72.4 79.2,70.88
Net-(D503-K): length 1.5
  Top w0.25: 85.2,72.4 85.2,70.88
Net-(D801-K): length 1.3
  Top w0.25: 70.2,60.75 70.2,62.08
Net-(D802-K): length 1.4
  Top w0.25: 76.2,60.71 76.2,62.1
Net-(D803-K): length 1.4
  Top w0.25: 82.2,60.71 82.2,62.1
Net-(D804-K): length 1.4
  Top w0.25: 88.2,60.72 88.2,62.1
Net-(D901-A): length 1.4
  Top w0.25: 26.96,89.7 28.08,89.7 28.3,89.47
Net-(D1401-K): length 2.1
  Top w0.25: R1401.1 8.26,108.97 D1401.1 8.28,108.98
Net-(D1402-K): length 1.4
  Top w0.25: R1402.1 13.91,144.6 D1402.1
Net-(D1403-K): length 1.4
  Top w0.25: D1403.1 11.81,105.11 R1403.1
Net-(J501-L): length 33.9
  Top w3: 2.4,70.4 5.6,70.4 18.83,57.18 18.83,45.14
Net-(J501-N): length 29
  Top w3: 31.01,5.25 27,5.25 18.83,13.43 18.83,26.86
Net-(J801-CC1): length 2.4
  Top w0.25: J801.A5 175.95,14.75 175.1,13.9 175.1,13.7
Net-(J801-CC2): length 2
  Top w0.25: J801.B5 175.45,17.75 175.1,18.1
Net-(J1101-Pin_2): length 154.5
  Top w0.25: v1(152.38,80.88) 151.35,80.88 150.7,81.54 150.7,81.63 131.85,81.63 130.85,80.64 130.25,80.64 129.7,81.19 114.49,81.19 v1(114.22,80.91) ; v1(59.91,78.71) 60.9,77.72 62.74,77.72 65.3,80.28 93.98,80.28 ; v1(158.76,79.11) 159.3,78.57 J1101.2 ; Q1101.3 93.55,80.28 93.98,80.28 ; 93.98,80.28 100.68,80.28 v1(100.96,80.01) ; v1(35.55,78.8) 22.6,78.8 J1102.2
  Bottom w0.25: v1(100.96,80.01) 113.32,80.01 v1(114.22,80.91) ; v1(35.55,78.8) 35.55,78.85 35.88,79.18 59.45,79.18 v1(59.91,78.71) ; v1(152.38,80.88) 154.15,79.11 v1(158.76,79.11)
Net-(Q201-Anode-Pad2): length 1.6
  Top w0.25: 59.36,89.01 59.36,87.46
Net-(Q201-Anode-Pad6): length 1.6
  Top w0.25: 64.44,89.01 64.44,87.46
Net-(Q201-Vo-Pad10): length 2
  Top w0.5: Q201.10 65.72,101.01
Net-(Q201-Vo-Pad15): length 2
  Top w0.5: 59.36,98.99 59.36,101.01
Net-(Q301-Anode-Pad2): length 1.6
  Top w0.25: 106.91,89.01 106.91,87.46
Net-(Q301-Anode-Pad6): length 1.6
  Top w0.25: 111.99,89.01 111.99,87.46
Net-(Q301-Vo-Pad10): length 2
  Top w0.5: 113.26,98.99 113.26,101.01
Net-(Q301-Vo-Pad15): length 2
  Top w0.5: 106.91,98.99 106.91,101.01
Net-(Q401-Anode-Pad2): length 1.6
  Top w0.25: 154.46,89.01 154.46,87.46
Net-(Q401-Anode-Pad6): length 1.6
  Top w0.25: 159.54,89.01 159.54,87.46
Net-(Q401-Vo-Pad10): length 2
  Top w0.5: 160.81,98.99 160.81,101.01
Net-(Q401-Vo-Pad15): length 2
  Top w0.5: 154.46,98.99 154.46,101.01
Net-(Q901-G): length 4
  Top w1: 13.45,115.3 14.39,116.24 Q901.1
Net-(Q1101-G): length 2.7
  Top w0.25: 92.85,74.44 92.85,75.57 92.6,75.82 Q1101.1
Net-(U203-VIN+): length 3.7
  Bottom w0.25: 64.17,100.19 U203.2 ; 63.17,100.16 65.17,100.16
Net-(U303-VIN+): length 3.7
  Bottom w0.25: 110.72,100.16 112.72,100.16 ; 111.72,100.19 111.72,98.45
Net-(U403-VIN+): length 3.7
  Bottom w0.25: 158.26,100.16 160.26,100.16 ; 159.26,100.19 159.26,98.45
Net-(U501-AC(N)): length 70
  Top w3: 24.9,70.4 24.9,56.1 36.51,44.49 36.51,5.25
Net-(U602-VIN+): length 4
  Top w0.25: U602.2 15.6,99.12 15.6,102.2
Net-(U701-FB): length 4.8
  Top w0.25: U701.8 31.29,105.4 28.2,105.4 28.2,105.4
Net-(U801-PB8): length 1.6
  Top w0.25: 126.35,46.3 U801.61
Net-(U801-PF0): length 11.2
  Top w0.25: Y801.2 113.74,45.2 116.8,42.13 116.89,42.13 118.28,40.75 U801.5
Net-(U801-PF1): length 11.2
  Top w0.25: Y801.1 116.63,38.83 117.23,38.83 118.65,40.25 U801.6
Net-(U1201-VDD): length 1.8
  Top w0.25: 92.97,67.9 93.17,67.69 U1201.8

## Copper pours and planes (outline as drawn; the poured copper is in the pictures)
/Vbus on Top, Bottom, In1.Cu, In2.Cu: 5.75,95.5 5.75,99.5 4.4,100.95 0,100.95 0,95.5
/Vbus on In1.Cu, In2.Cu: 0,109.9 26.4,109.9 29.1,113 154.7,113 154.7,104 32.5,104 6,95.5 0,95.5
GND on Top, Bottom, In1.Cu, In2.Cu: 0,196 184,196 184,95.5 0,95.5
/ISO_3V3 on In2.Cu: 184,92.5 0,92.5 0,0 184,0
/ISO_GND on Top, Bottom, In1.Cu: 184,92.5 0,92.5 0,0 184,0
/VSupply_AB on Top, Bottom, In1.Cu, In2.Cu: 184,176 15,176 8.4,133.68 8.5,95.5 0,95.5 0,196 184,196

## Text on the board
B.Silkscreen: U | V | W | AAP_Inverter v1 / 07/09/23 / N. PAPAZOGLOU / A. MARTIN / P. TOUSSAINT | Warning / 230V AC AREA
F.Silkscreen: U201 | Vab | Vbb | Vbus | POWER | BREAK | BTN1 | LED1 | BTN2 | LED2 | BTN3 | LED3 | BTN4 | LED4 | 1 | 15V | STLINK | 5V | 3V3 | 37 | 38 | 2 | FAN | NRST | Motor Enc | Display | Rotary Enc | H | L | U | V | W
